# KiCad board IotFan.kicad_pcb (continued)
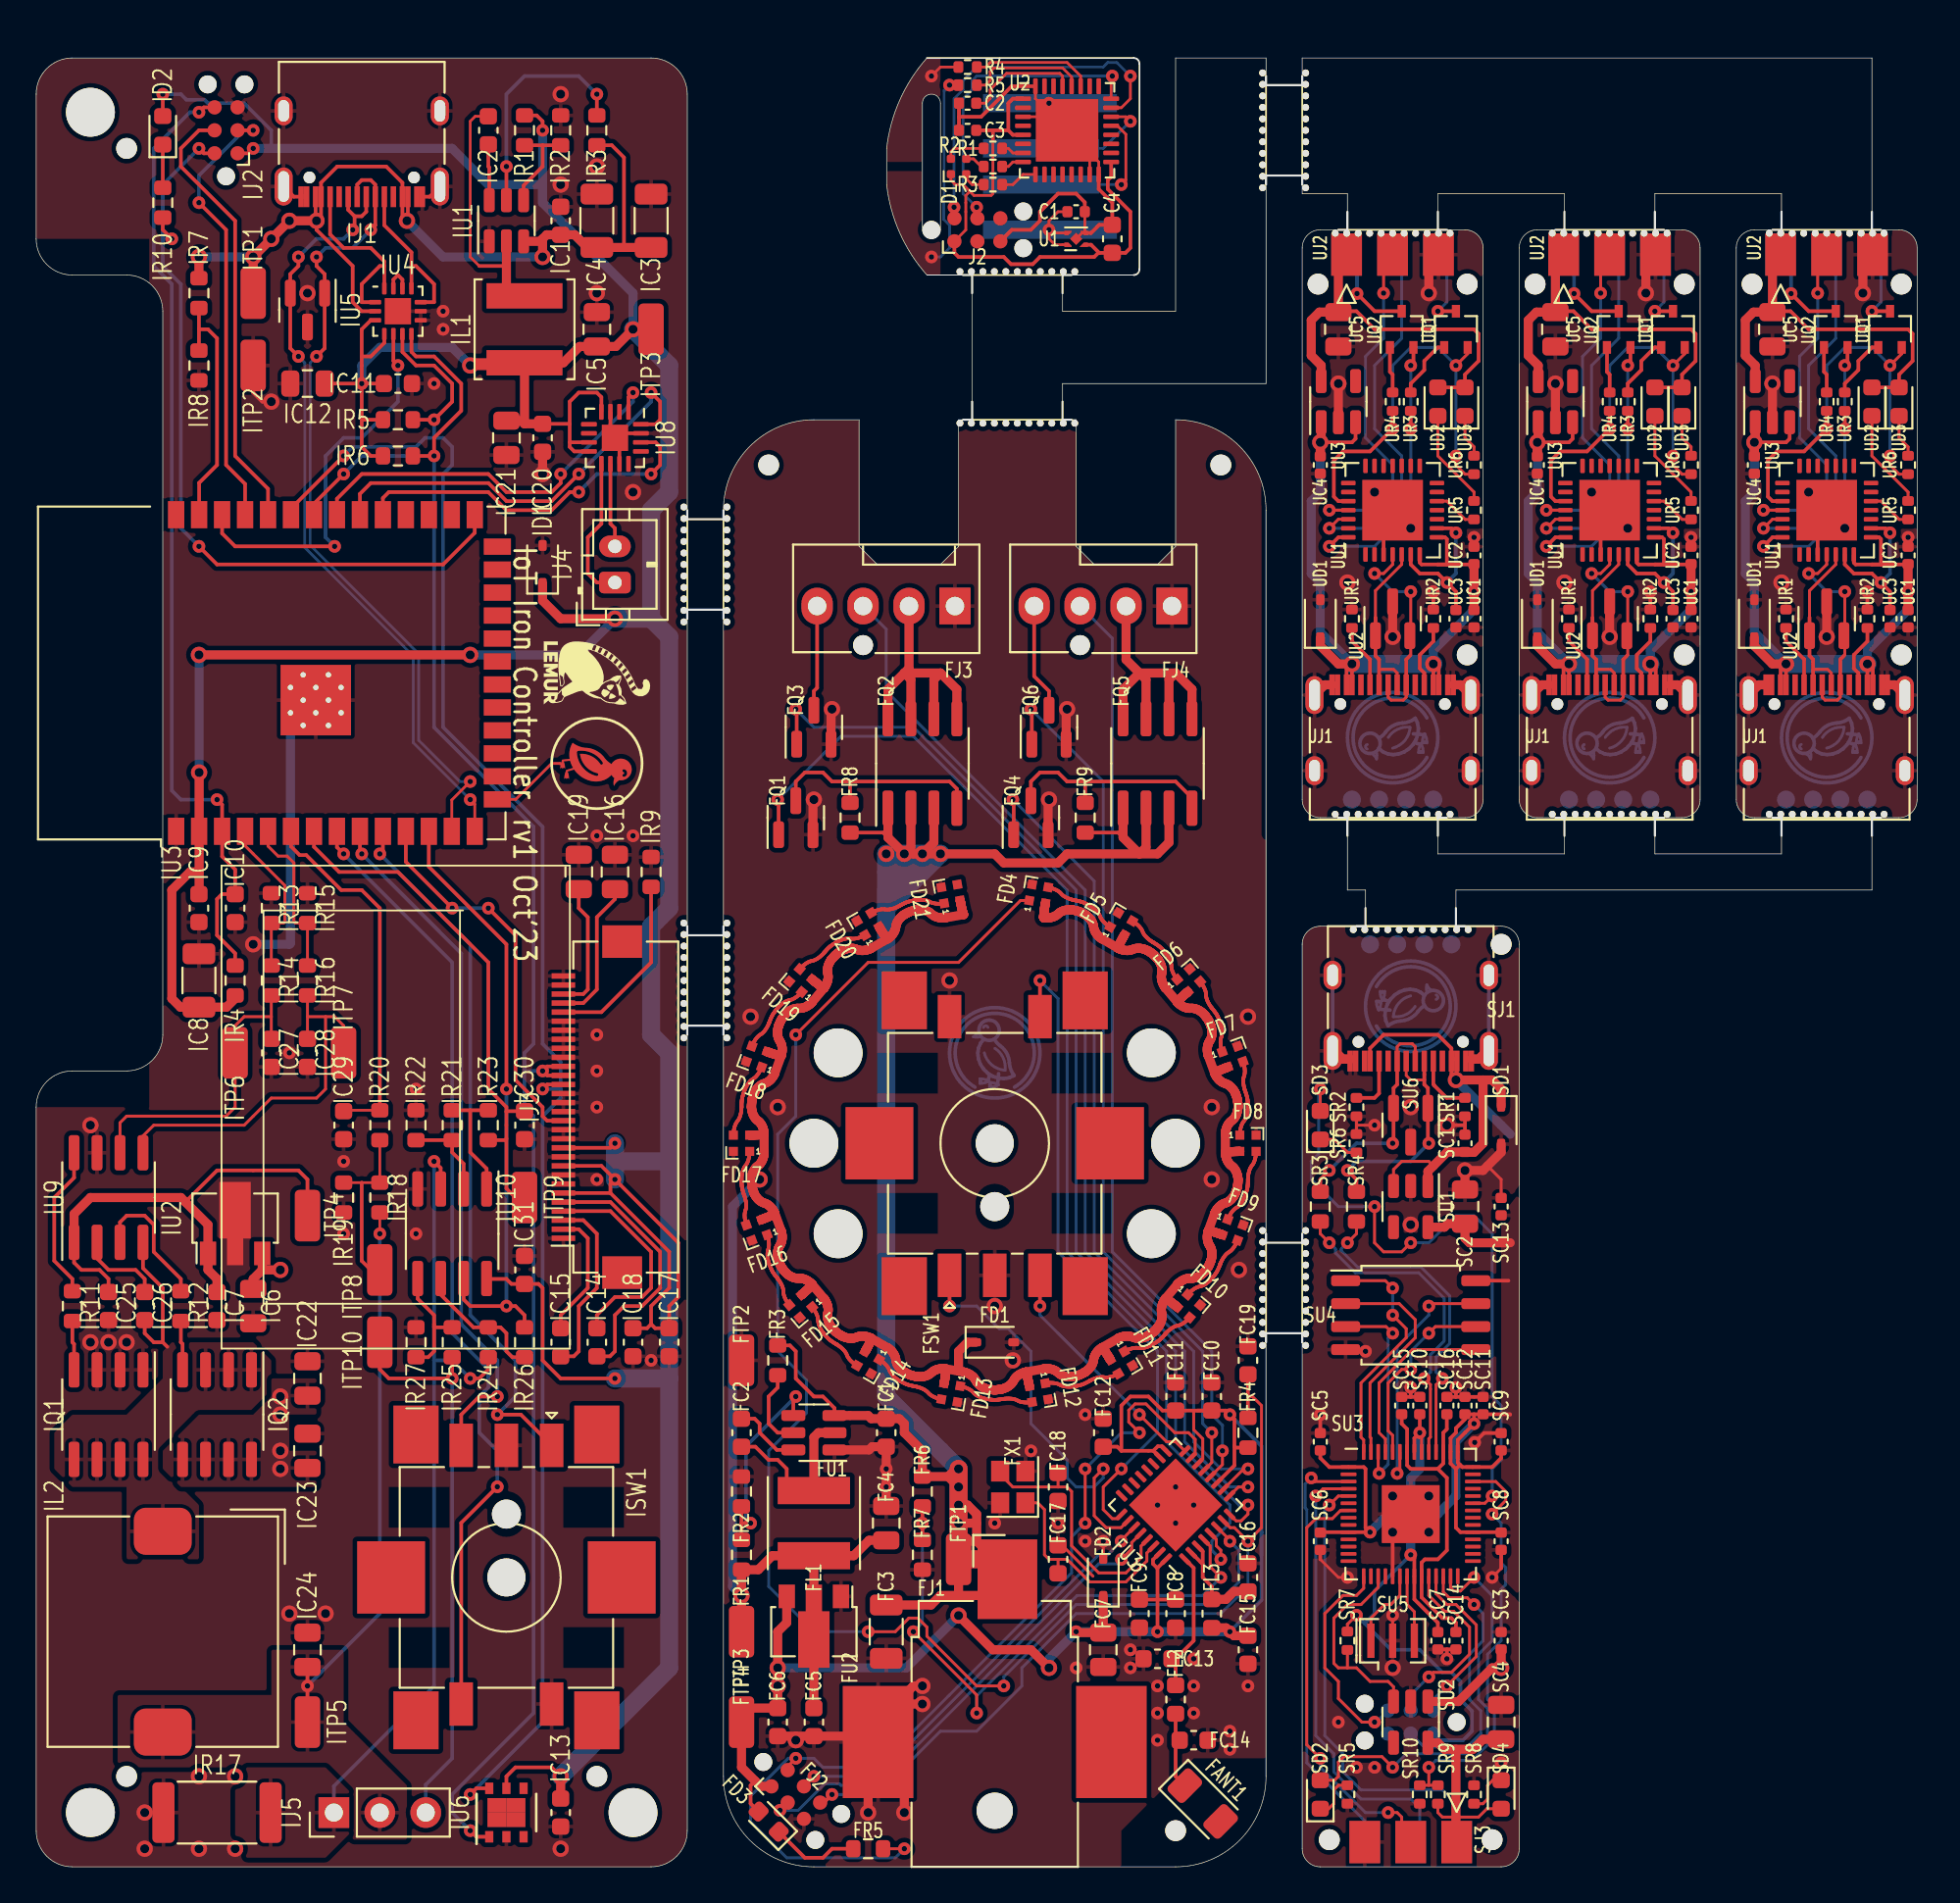
[diagram p0: board, top side]
## Placement (name value [footprint] x y rotation side) (continued)
UC2#3  -  [C_0402_1005Metric]  103.5 72.5 90 top
UC3  -  [C_0402_1005Metric]  90.5 69 270 top
UC3#2  -  [C_0402_1005Metric]  102.5 69 270 top
UC3#3  -  [C_0402_1005Metric]  78.5 69 270 top
UC4  -  [C_0402_1005Metric]  71 77.5 270 top
UC4#2  -  [C_0402_1005Metric]  95 77.5 270 top
UC4#3  -  [C_0402_1005Metric]  83 77.5 270 top
UC5  -  [C_0805_2012Metric]  72 85 270 top
UC5#2  -  [C_0805_2012Metric]  84 85 270 top
UC5#3  -  [C_0805_2012Metric]  96 85 270 top
UD1  BZT52-B5V6S_R1_00001 (PANJIT International) - 100nA@1V 40? Single 5.49V~5.71V 200mW 5.6V SOD-323 Zener Diodes ROHS  [D_SOD-323]  83 69 90 top
UD1#2  BZT52-B5V6S_R1_00001 (PANJIT International) - 100nA@1V 40? Single 5.49V~5.71V 200mW 5.6V SOD-323 Zener Diodes ROHS  [D_SOD-323]  71 69 90 top
UD1#3  BZT52-B5V6S_R1_00001 (PANJIT International) - 100nA@1V 40? Single 5.49V~5.71V 200mW 5.6V SOD-323 Zener Diodes ROHS  [D_SOD-323]  95 69 90 top
UD2  C2290 (Hubei KENTO Elec) - White 0603 Light Emitting Diodes (LED) RoHS  [LED_0603_1608Metric]  77.5 81 90 top
UD2#2  C2290 (Hubei KENTO Elec) - White 0603 Light Emitting Diodes (LED) RoHS  [LED_0603_1608Metric]  89.5 81 90 top
UD2#3  C2290 (Hubei KENTO Elec) - White 0603 Light Emitting Diodes (LED) RoHS  [LED_0603_1608Metric]  101.5 81 90 top
UD3  KT-0603R (Hubei KENTO Elec) - Red 615~630nm 1.9~2.2V 0603 Light Emitting Diodes (LED) RoHS  [LED_0603_1608Metric]  79 81 90 top
UD3#2  KT-0603R (Hubei KENTO Elec) - Red 615~630nm 1.9~2.2V 0603 Light Emitting Diodes (LED) RoHS  [LED_0603_1608Metric]  103 81 90 top
UD3#3  KT-0603R (Hubei KENTO Elec) - Red 615~630nm 1.9~2.2V 0603 Light Emitting Diodes (LED) RoHS  [LED_0603_1608Metric]  91 81 90 top
UH1  -  [JlcToolingHole_1.152mm]  70.88 87.5 90 top
UH1#2  -  [JlcToolingHole_1.152mm]  82.88 87.5 90 top
UH1#3  -  [JlcToolingHole_1.152mm]  94.88 87.5 90 top
UH2  -  [JlcToolingHole_1.152mm]  103.12 67 90 top
UH2#2  -  [JlcToolingHole_1.152mm]  79.12 67 90 top
UH2#3  -  [JlcToolingHole_1.152mm]  91.12 67 90 top
UH3  -  [JlcToolingHole_1.152mm]  79.12 87.5 90 top
UH3#2  -  [JlcToolingHole_1.152mm]  91.12 87.5 90 top
UH3#3  -  [JlcToolingHole_1.152mm]  103.12 87.5 90 top
UJ1  COM-15111 (Sparkfun)  [USB_C_Receptacle_XKB_U262-16XN-4BVC11]  75 61.67 0 top
UJ1#2  COM-15111 (Sparkfun)  [USB_C_Receptacle_XKB_U262-16XN-4BVC11]  87 61.67 0 top
UJ1#3  COM-15111 (Sparkfun)  [USB_C_Receptacle_XKB_U262-16XN-4BVC11]  99 61.67 0 top
UJ2  PinHeader2.54 Shrouded 2x3 (Generic)  [PinHeader_2x03_P2.54mm_EdgeInline]  75 90.5 90 top
UJ2#2  PinHeader2.54 Shrouded 2x3 (Generic)  [PinHeader_2x03_P2.54mm_EdgeInline]  99 90.5 90 top
UJ2#3  PinHeader2.54 Shrouded 2x3 (Generic)  [PinHeader_2x03_P2.54mm_EdgeInline]  87 90.5 90 top
UQ1  BC846BW 1B (CBI) - 65V 330mW 100mA 290@2mA,5V 250MHz 200mV@100mA,5mA NPN +150?@(Tj) SOT-323-3 Bipolar Transistors - BJT ROHS  [SOT-323_SC-70]  90.5 85 90 top
UQ1#2  BC846BW 1B (CBI) - 65V 330mW 100mA 290@2mA,5V 250MHz 200mV@100mA,5mA NPN +150?@(Tj) SOT-323-3 Bipolar Transistors - BJT ROHS  [SOT-323_SC-70]  102.5 85 90 top
UQ1#3  BC846BW 1B (CBI) - 65V 330mW 100mA 290@2mA,5V 250MHz 200mV@100mA,5mA NPN +150?@(Tj) SOT-323-3 Bipolar Transistors - BJT ROHS  [SOT-323_SC-70]  78.5 85 90 top
UQ2  BC846BW 1B (CBI) - 65V 330mW 100mA 290@2mA,5V 250MHz 200mV@100mA,5mA NPN +150?@(Tj) SOT-323-3 Bipolar Transistors - BJT ROHS  [SOT-323_SC-70]  99.5 85 90 top
UQ2#2  BC846BW 1B (CBI) - 65V 330mW 100mA 290@2mA,5V 250MHz 200mV@100mA,5mA NPN +150?@(Tj) SOT-323-3 Bipolar Transistors - BJT ROHS  [SOT-323_SC-70]  87.5 85 90 top
UQ2#3  BC846BW 1B (CBI) - 65V 330mW 100mA 290@2mA,5V 250MHz 200mV@100mA,5mA NPN +150?@(Tj) SOT-323-3 Bipolar Transistors - BJT ROHS  [SOT-323_SC-70]  75.5 85 90 top
UR1  -  [R_0402_1005Metric]  72.75 69 270 top
UR1#2  -  [R_0402_1005Metric]  84.75 69 270 top
UR1#3  -  [R_0402_1005Metric]  96.75 69 270 top
UR2  -  [R_0402_1005Metric]  77.25 69 270 top
UR2#2  -  [R_0402_1005Metric]  89.25 69 270 top
UR2#3  -  [R_0402_1005Metric]  101.25 69 270 top
UR3  -  [R_0402_1005Metric]  76 81 90 top
UR3#2  -  [R_0402_1005Metric]  100 81 90 top
UR3#3  -  [R_0402_1005Metric]  88 81 90 top
UR4  -  [R_0402_1005Metric]  87 81 90 top
UR4#2  -  [R_0402_1005Metric]  99 81 90 top
UR4#3  -  [R_0402_1005Metric]  75 81 90 top
UR5  -  [R_0402_1005Metric]  79.5 75 270 top
UR5#2  -  [R_0402_1005Metric]  91.5 75 270 top
UR5#3  -  [R_0402_1005Metric]  103.5 75 270 top
UR6  -  [R_0402_1005Metric]  103.5 77.5 270 top
UR6#2  -  [R_0402_1005Metric]  79.5 77.5 270 top
UR6#3  -  [R_0402_1005Metric]  91.5 77.5 270 top
UU1  CP2102 (Silicon Labs)  [QFN-28-1EP_5x5mm_P0.5mm_EP3.35x3.35mm]  75 75 90 top
UU1#2  CP2102 (Silicon Labs)  [QFN-28-1EP_5x5mm_P0.5mm_EP3.35x3.35mm]  87 75 90 top
UU1#3  CP2102 (Silicon Labs)  [QFN-28-1EP_5x5mm_P0.5mm_EP3.35x3.35mm]  99 75 90 top
UU2  PESD5V0X1BT (Nexperia)  [SOT-23]  99 69 90 top
UU2#2  PESD5V0X1BT (Nexperia)  [SOT-23]  75 69 90 top
UU2#3  PESD5V0X1BT (Nexperia)  [SOT-23]  87 69 90 top
UU3  AP2204K-3.3 (Diodes Incorporated)  [SOT-23-5]  84 81 90 top
UU3#2  AP2204K-3.3 (Diodes Incorporated)  [SOT-23-5]  72 81 90 top
UU3#3  AP2204K-3.3 (Diodes Incorporated)  [SOT-23-5]  96 81 90 top
UU4  Duck  [Symbol_Duckling]  75 62.42 270 bottom
UU4#2  Duck  [Symbol_Duckling]  87 62.42 270 bottom
UU4#3  Duck  [Symbol_Duckling]  53 45 180 bottom
UU4#4  Duck  [Symbol_Duckling]  99 62.42 270 bottom
UU4#5  Duck  [Symbol_Duckling]  76 47.58 90 bottom
UU5  Lemur  [Symbol_LemurSmall]  31 66 270 top
UU5#2  Lemur  [Symbol_LemurSmall]  99 68 270 bottom
UU5#3  Lemur  [Symbol_LemurSmall]  76 42 90 bottom
UU5#4  Lemur  [Symbol_LemurSmall]  87 68 270 bottom
UU5#5  Lemur  [Symbol_LemurSmall]  75 68 270 bottom
UU5#6  Lemur  [Symbol_LemurSmall]  53 35 180 bottom
UU6  IdDots4  [Indicator_IdDots_4]  75 59 180 bottom
UU6#2  IdDots4  [Indicator_IdDots_4]  76 51 0 bottom
UU6#3  IdDots4  [Indicator_IdDots_4]  87 59 180 bottom
UU6#4  IdDots4  [Indicator_IdDots_4]  99 59 180 bottom

## Library data of the parts
C1 = -: edg_part: CL05A105KA5NQNC (Samsung Electro-Mechanics); edg_path: reg_3v3.in_cap.cap; edg_refdes: C1; edg_short_path: reg_3v3.in_cap
C2 = -: edg_part: CL05B103KB5NNNC (Samsung Electro-Mechanics); edg_path: tss.cap; edg_refdes: C2; edg_short_path: tss
C3 = -: edg_part: CL05A105KA5NQNC (Samsung Electro-Mechanics); edg_path: packed_mcu_vdda_cap.cap; edg_refdes: C3; edg_short_path: packed_mcu_vdda_cap
C4 = -: edg_part: CL10A106KP8NNNC (Samsung Electro-Mechanics); edg_path: packed_mcu_vdd1_cap.cap; edg_refdes: C4; edg_short_path: packed_mcu_vdd1_cap
D1 = -: edg_path: rgb.package; edg_refdes: D1; edg_short_path: rgb.package
FANT1 = -: edg_part: ANT3216LL00R2400A (YAGEO); edg_path: mcu.ant; edg_refdes: FANT1; edg_short_path: mcu.ant
FC1 = -: edg_part: CC0603KRX7R9BB104 (YAGEO); edg_path: reg_5v.hf_in_cap.cap; edg_refdes: FC1; edg_short_path: reg_5v.hf_in_cap
FC2 = -: edg_part: CC0603KRX7R9BB104 (YAGEO); edg_path: reg_5v.boot_cap; edg_refdes: FC2; edg_short_path: reg_5v.boot_cap
FC3 = -: edg_part: CL31A106KBHNNNE (Samsung Electro-Mechanics); edg_path: reg_5v.power_path.in_cap.cap; edg_refdes: FC3; edg_short_path: reg_5v.power_path.in_cap
FC4 = -: edg_part: CL21A106KAYNNNE (Samsung Electro-Mechanics); edg_path: reg_5v.power_path.out_cap.cap; edg_refdes: FC4; edg_short_path: reg_5v.power_path.out_cap
FC5 = -: edg_part: CL10A105KB8NNNC (Samsung Electro-Mechanics); edg_path: reg_3v3.in_cap.cap; edg_refdes: FC5; edg_short_path: reg_3v3.in_cap
FC6 = -: edg_part: CL10A105KB8NNNC (Samsung Electro-Mechanics); edg_path: reg_3v3.out_cap.cap; edg_refdes: FC6; edg_short_path: reg_3v3.out_cap
FC7 = -: edg_part: CL21A106KAYNNNE (Samsung Electro-Mechanics); edg_path: mcu.vdd_bulk_cap.cap; edg_refdes: FC7; edg_short_path: mcu.vdd_bulk_cap
FC8 = -: edg_part: CL10A105KB8NNNC (Samsung Electro-Mechanics); edg_path: mcu.vdda_cap0.cap; edg_refdes: FC8; edg_short_path: mcu.vdda_cap0
FC9 = -: edg_part: 0603B103K500NT (FH(Guangdong Fenghua Advanced Tech)); edg_path: mcu.vdda_cap1.cap; edg_refdes: FC9; edg_short_path: mcu.vdda_cap1
FC10 = -: edg_part: CC0603KRX7R9BB104 (YAGEO); edg_path: mcu.vddrtc_cap.cap; edg_refdes: FC10; edg_short_path: mcu.vddrtc_cap
FC11 = -: edg_part: CC0603KRX7R9BB104 (YAGEO); edg_path: mcu.vddcpu_cap.cap; edg_refdes: FC11; edg_short_path: mcu.vddcpu_cap
FC12 = -: edg_part: CL10A105KB8NNNC (Samsung Electro-Mechanics); edg_path: mcu.vddspi_cap.cap; edg_refdes: FC12; edg_short_path: mcu.vddspi_cap
FC13 = -: edg_part: 0603CG8R2C500NT (FH(Guangdong Fenghua Advanced Tech)); edg_path: mcu.pi.c1; edg_refdes: FC13; edg_short_path: mcu.pi.c1
FC14 = -: edg_part: 0603CG6R8C500NT (FH(Guangdong Fenghua Advanced Tech)); edg_path: mcu.pi.c2; edg_refdes: FC14; edg_short_path: mcu.pi.c2
FC15 = -: edg_part: CC0603KRX7R9BB104 (YAGEO); edg_path: mcu.vdd3p3_l_cap.cap; edg_refdes: FC15; edg_short_path: mcu.vdd3p3_l_cap
FC16 = -: edg_part: CC0603KRX7R9BB104 (YAGEO); edg_path: mcu.vdd3p3_cap.cap; edg_refdes: FC16; edg_short_path: mcu.vdd3p3_cap
FC17 = -: edg_part: CL10C150JB8NNNC (Samsung Electro-Mechanics); edg_path: mcu.crystal.cap_a; edg_refdes: FC17; edg_short_path: mcu.crystal.cap_a
FC18 = -: edg_part: CL10C150JB8NNNC (Samsung Electro-Mechanics); edg_path: mcu.crystal.cap_b; edg_refdes: FC18; edg_short_path: mcu.crystal.cap_b
FC19 = -: edg_part: CL10A105KB8NNNC (Samsung Electro-Mechanics); edg_path: mcu.en_pull.rc.c; edg_refdes: FC19; edg_short_path: mcu.en_pull.c
FD1 = -: edg_part: BZT52C6V2S (Shandong Jingdao Microelectronics); edg_path: prot_5v.diode; edg_refdes: FD1; edg_short_path: prot_5v
FD2 = -: edg_part: BZT52B3V6S (SMC(Sangdest Microelectronicstronic (Nanjing))); edg_path: prot_3v3.diode; edg_refdes: FD2; edg_short_path: prot_3v3
FD3 = -: edg_part: KT-0603R (Hubei KENTO Elec); edg_path: ledr.package; edg_refdes: FD3; edg_short_path: ledr.package
FD4 = -: edg_path: rgb_ring.led[0]; edg_refdes: FD4; edg_short_path: rgb_ring.led[0]
FD5 = -: edg_path: rgb_ring.led[1]; edg_refdes: FD5; edg_short_path: rgb_ring.led[1]
FD6 = -: edg_path: rgb_ring.led[2]; edg_refdes: FD6; edg_short_path: rgb_ring.led[2]
FD7 = -: edg_path: rgb_ring.led[3]; edg_refdes: FD7; edg_short_path: rgb_ring.led[3]
FD8 = -: edg_path: rgb_ring.led[4]; edg_refdes: FD8; edg_short_path: rgb_ring.led[4]
FD9 = -: edg_path: rgb_ring.led[5]; edg_refdes: FD9; edg_short_path: rgb_ring.led[5]
FD10 = -: edg_path: rgb_ring.led[6]; edg_refdes: FD10; edg_short_path: rgb_ring.led[6]
FD11 = -: edg_path: rgb_ring.led[7]; edg_refdes: FD11; edg_short_path: rgb_ring.led[7]
FD12 = -: edg_path: rgb_ring.led[8]; edg_refdes: FD12; edg_short_path: rgb_ring.led[8]
FD13 = -: edg_path: rgb_ring.led[9]; edg_refdes: FD13; edg_short_path: rgb_ring.led[9]
FD14 = -: edg_path: rgb_ring.led[10]; edg_refdes: FD14; edg_short_path: rgb_ring.led[10]
FD15 = -: edg_path: rgb_ring.led[11]; edg_refdes: FD15; edg_short_path: rgb_ring.led[11]
FD16 = -: edg_path: rgb_ring.led[12]; edg_refdes: FD16; edg_short_path: rgb_ring.led[12]
FD17 = -: edg_path: rgb_ring.led[13]; edg_refdes: FD17; edg_short_path: rgb_ring.led[13]
FD18 = -: edg_path: rgb_ring.led[14]; edg_refdes: FD18; edg_short_path: rgb_ring.led[14]
FD19 = -: edg_path: rgb_ring.led[15]; edg_refdes: FD19; edg_short_path: rgb_ring.led[15]
FD20 = -: edg_path: rgb_ring.led[16]; edg_refdes: FD20; edg_short_path: rgb_ring.led[16]
FD21 = -: edg_path: rgb_ring.led[17]; edg_refdes: FD21; edg_short_path: rgb_ring.led[17]
FH1 = -: edg_path: jlc_th.th1; edg_refdes: FH1; edg_short_path: jlc_th.th1
FH2 = -: edg_path: jlc_th.th2; edg_refdes: FH2; edg_short_path: jlc_th.th2
FH3 = -: edg_path: jlc_th.th3; edg_refdes: FH3; edg_short_path: jlc_th.th3
FJ1 = -: edg_path: pwr; edg_refdes: FJ1; edg_short_path: pwr
FJ2 = -: edg_path: mcu.prog.conn; edg_refdes: FJ2; edg_short_path: mcu.prog
FJ3 = -: edg_path: fan[0]; edg_refdes: FJ3; edg_short_path: fan[0]
FJ4 = -: edg_path: fan[1]; edg_refdes: FJ4; edg_short_path: fan[1]
FL1 = -: edg_part: NR5040T220M (Taiyo Yuden); edg_path: reg_5v.power_path.inductor; edg_refdes: FL1; edg_short_path: reg_5v.power_path.inductor
FL2 = -: edg_part: SDCL1608C1N2STDF (Sunlord); edg_path: mcu.pi.l; edg_refdes: FL2; edg_short_path: mcu.pi.l
FL3 = -: edg_part: SDCL1608C1N8STDF (Sunlord); edg_path: mcu.vdd3p3_l.ind; edg_refdes: FL3; edg_short_path: mcu.vdd3p3_l
FQ1 = -: edg_part: AO3400A (Alpha & Omega Semicon); edg_path: fan_drv[0].pre; edg_refdes: FQ1; edg_short_path: fan_drv[0].pre
FQ2 = -: edg_part: AO4407A (Alpha & Omega Semicon); edg_path: fan_drv[0].drv; edg_refdes: FQ2; edg_short_path: fan_drv[0].drv
FQ3 = -: edg_part: AO3400A (Alpha & Omega Semicon); edg_path: fan_ctl[0].drv; edg_refdes: FQ3; edg_short_path: fan_ctl[0]
FQ4 = -: edg_part: AO3400A (Alpha & Omega Semicon); edg_path: fan_drv[1].pre; edg_refdes: FQ4; edg_short_path: fan_drv[1].pre
FQ5 = -: edg_part: AO4407A (Alpha & Omega Semicon); edg_path: fan_drv[1].drv; edg_refdes: FQ5; edg_short_path: fan_drv[1].drv
FQ6 = -: edg_part: AO3400A (Alpha & Omega Semicon); edg_path: fan_ctl[1].drv; edg_refdes: FQ6; edg_short_path: fan_ctl[1]
FR1 = -: edg_part: 0603WAF6801T5E (UNI-ROYAL(Uniroyal Elec)); edg_path: reg_5v.fb.div.top_res; edg_refdes: FR1; edg_short_path: reg_5v.fb.top_res
FR2 = -: edg_part: 0603WAF1201T5E (UNI-ROYAL(Uniroyal Elec)); edg_path: reg_5v.fb.div.bottom_res; edg_refdes: FR2; edg_short_path: reg_5v.fb.bottom_res
FR3 = -: edg_part: 0603WAF5103T5E (UNI-ROYAL(Uniroyal Elec)); edg_path: reg_5v.en_res; edg_refdes: FR3; edg_short_path: reg_5v.en_res
FR4 = -: edg_part: 0603WAF1002T5E (UNI-ROYAL(Uniroyal Elec)); edg_path: mcu.en_pull.rc.r; edg_refdes: FR4; edg_short_path: mcu.en_pull.r
FR5 = -: edg_part: 0603WAF1001T5E (UNI-ROYAL(Uniroyal Elec)); edg_path: ledr.res; edg_refdes: FR5; edg_short_path: ledr.res
FR6 = -: edg_part: 0603WAF4702T5E (UNI-ROYAL(Uniroyal Elec)); edg_path: v12_sense.div.top_res; edg_refdes: FR6; edg_short_path: v12_sense.top_res
FR7 = -: edg_part: 0603WAF1002T5E (UNI-ROYAL(Uniroyal Elec)); edg_path: v12_sense.div.bottom_res; edg_refdes: FR7; edg_short_path: v12_sense.bottom_res
FR8 = -: edg_part: 0603WAF4701T5E (UNI-ROYAL(Uniroyal Elec)); edg_path: fan_drv[0].pull; edg_refdes: FR8; edg_short_path: fan_drv[0].pull
FR9 = -: edg_part: 0603WAF4701T5E (UNI-ROYAL(Uniroyal Elec)); edg_path: fan_drv[1].pull; edg_refdes: FR9; edg_short_path: fan_drv[1].pull
FSW1 = -: edg_path: enc.package; edg_refdes: FSW1; edg_short_path: enc
FTP1 = -: edg_part: 5015 (Keystone); edg_path: tp_pwr.tp; edg_refdes: FTP1; edg_short_path: tp_pwr
FTP2 = -: edg_part: 5015 (Keystone); edg_path: tp_gnd.tp; edg_refdes: FTP2; edg_short_path: tp_gnd
FTP3 = -: edg_part: 5015 (Keystone); edg_path: tp_5v.tp; edg_refdes: FTP3; edg_short_path: tp_5v
FTP4 = -: edg_part: 5015 (Keystone); edg_path: tp_3v3.tp; edg_refdes: FTP4; edg_short_path: tp_3v3
FU1 = -: edg_path: reg_5v.ic; edg_refdes: FU1; edg_short_path: reg_5v.ic
FU2 = -: edg_path: reg_3v3.ic; edg_refdes: FU2; edg_short_path: reg_3v3.ic
FU3 = -: edg_path: mcu.ic; edg_refdes: FU3; edg_short_path: mcu.ic
FX1 = -: edg_part: TXM40M0004252HBCEO00T (TAE(Zhejiang Abel Elec)); edg_path: mcu.crystal.package; edg_refdes: FX1; edg_short_path: mcu.crystal.package
IC1 = -: edg_part: CC0603KRX7R9BB104 (YAGEO); edg_path: reg_3v3.hf_in_cap.cap; edg_refdes: IC1; edg_short_path: reg_3v3.hf_in_cap
IC2 = -: edg_part: CC0603KRX7R9BB104 (YAGEO); edg_path: reg_3v3.boot_cap; edg_refdes: IC2; edg_short_path: reg_3v3.boot_cap
IC3 = -: edg_part: CL31A106KBHNNNE (Samsung Electro-Mechanics); edg_path: reg_3v3.power_path.in_cap.cap.c[0]; edg_refdes: IC3; edg_short_path: reg_3v3.power_path.in_cap.c[0]
IC4 = -: edg_part: CL31A106KBHNNNE (Samsung Electro-Mechanics); edg_path: reg_3v3.power_path.in_cap.cap.c[1]; edg_refdes: IC4; edg_short_path: reg_3v3.power_path.in_cap.c[1]
IC5 = -: edg_part: CL21A106KAYNNNE (Samsung Electro-Mechanics); edg_path: reg_3v3.power_path.out_cap.cap; edg_refdes: IC5; edg_short_path: reg_3v3.power_path.out_cap
IC6 = -: edg_part: 0805B334K500NT (FH(Guangdong Fenghua Advanced Tech)); edg_path: reg_gate.in_cap.cap; edg_refdes: IC6; edg_short_path: reg_gate.in_cap
IC7 = -: edg_part: CC0603KRX7R9BB104 (YAGEO); edg_path: reg_gate.out_cap.cap; edg_refdes: IC7; edg_short_path: reg_gate.out_cap
IC8 = -: edg_part: CL31A226KPHNNNE (Samsung Electro-Mechanics); edg_path: mcu.vcc_cap0.cap; edg_refdes: IC8; edg_short_path: mcu.vcc_cap0
IC9 = -: edg_part: CC0603KRX7R9BB104 (YAGEO); edg_path: mcu.vcc_cap1.cap; edg_refdes: IC9; edg_short_path: mcu.vcc_cap1
IC10 = -: edg_part: CL10A105KB8NNNC (Samsung Electro-Mechanics); edg_path: mcu.en_pull.rc.c; edg_refdes: IC10; edg_short_path: mcu.en_pull.c
IC11 = -: edg_part: CC0603KRX7R9BB104 (YAGEO); edg_path: pd.vdd_cap[0].cap; edg_refdes: IC11; edg_short_path: pd.vdd_cap[0]
IC12 = -: edg_part: CL21A106KAYNNNE (Samsung Electro-Mechanics); edg_path: pd.vdd_cap[1].cap; edg_refdes: IC12; edg_short_path: pd.vdd_cap[1]
IC13 = -: edg_part: CC0603KRX7R9BB104 (YAGEO); edg_path: temp.vdd_cap.cap; edg_refdes: IC13; edg_short_path: temp.vdd_cap
IC14 = -: edg_part: CL10A105KB8NNNC (Samsung Electro-Mechanics); edg_path: oled.c1_cap; edg_refdes: IC14; edg_short_path: oled.c1_cap
IC15 = -: edg_part: CL10A105KB8NNNC (Samsung Electro-Mechanics); edg_path: oled.c2_cap; edg_refdes: IC15; edg_short_path: oled.c2_cap
IC16 = -: edg_part: CL21A475KAQNNNE (Samsung Electro-Mechanics); edg_path: oled.vcomh_cap.cap; edg_refdes: IC16; edg_short_path: oled.vcomh_cap
IC17 = -: edg_part: CL10A105KB8NNNC (Samsung Electro-Mechanics); edg_path: oled.vdd_cap1.cap; edg_refdes: IC17; edg_short_path: oled.vdd_cap1
IC18 = -: edg_part: CL10A105KB8NNNC (Samsung Electro-Mechanics); edg_path: oled.vbat_cap.cap; edg_refdes: IC18; edg_short_path: oled.vbat_cap
IC19 = -: edg_part: CL21A475KAQNNNE (Samsung Electro-Mechanics); edg_path: oled.vcc_cap.cap; edg_refdes: IC19; edg_short_path: oled.vcc_cap
IC20 = -: edg_part: CC0603KRX7R9BB104 (YAGEO); edg_path: spk_drv.pwr_cap0.cap; edg_refdes: IC20; edg_short_path: spk_drv.pwr_cap0
IC21 = -: edg_part: CL21A106KAYNNNE (Samsung Electro-Mechanics); edg_path: spk_drv.pwr_cap1.cap; edg_refdes: IC21; edg_short_path: spk_drv.pwr_cap1
IC22 = -: edg_part: GRM21BR61H106KE43L (Murata Electronics); edg_path: conv.power_path.in_cap.cap.c[0]; edg_refdes: IC22; edg_short_path: conv.power_path.in_cap.c[0]
IC23 = -: edg_part: GRM21BR61H106KE43L (Murata Electronics); edg_path: conv.power_path.in_cap.cap.c[1]; edg_refdes: IC23; edg_short_path: conv.power_path.in_cap.c[1]
IC24 = -: edg_part: CL21A106KAYNNNE (Samsung Electro-Mechanics); edg_path: conv.power_path.out_cap.cap; edg_refdes: IC24; edg_short_path: conv.power_path.out_cap
IC25 = -: edg_part: CC0603KRX7R9BB104 (YAGEO); edg_path: conv.sw.driver.cap.cap; edg_refdes: IC25; edg_short_path: conv.sw.driver.cap
IC26 = -: edg_part: CC0603KRX7R9BB104 (YAGEO); edg_path: conv.sw.driver.boot_cap.cap; edg_refdes: IC26; edg_short_path: conv.sw.driver.boot_cap
IC27 = -: edg_part: 0603B151K500NT (FH(Guangdong Fenghua Advanced Tech)); edg_path: low_rc.rc.c; edg_refdes: IC27; edg_short_path: low_rc.c
IC28 = -: edg_part: 0603B151K500NT (FH(Guangdong Fenghua Advanced Tech)); edg_path: high_rc.rc.c; edg_refdes: IC28; edg_short_path: high_rc.c
IC29 = -: edg_part: CC0603KRX7R9BB104 (YAGEO); edg_path: vfilt.rc.c; edg_refdes: IC29; edg_short_path: vfilt.c
IC30 = -: edg_part: CC0603KRX7R9BB104 (YAGEO); edg_path: tp_i.rc.c; edg_refdes: IC30; edg_short_path: tp_i.c
IC31 = -: edg_part: CC0603KRX7R9BB104 (YAGEO); edg_path: packed_opamp.vdd_cap.cap; edg_refdes: IC31; edg_short_path: packed_opamp.vdd_cap
ID1 = -: edg_part: BZT52B3V6S (SMC(Sangdest Microelectronicstronic (Nanjing))); edg_path: prot_3v3.diode; edg_refdes: ID1; edg_short_path: prot_3v3
ID2 = -: edg_part: KT-0603R (Hubei KENTO Elec); edg_path: ledr.package; edg_refdes: ID2; edg_short_path: ledr.package
IH1 = -: edg_path: jlc_th.th1; edg_refdes: IH1; edg_short_path: jlc_th.th1
IH2 = -: edg_path: jlc_th.th2; edg_refdes: IH2; edg_short_path: jlc_th.th2
IH3 = -: edg_path: jlc_th.th3; edg_refdes: IH3; edg_short_path: jlc_th.th3
IJ1 = -: edg_path: usb.conn; edg_refdes: IJ1; edg_short_path: usb
IJ2 = -: edg_path: mcu.prog.conn; edg_refdes: IJ2; edg_short_path: mcu.prog
IJ3 = -: edg_path: oled.device.conn; edg_refdes: IJ3; edg_short_path: oled.device
IJ4 = -: edg_path: spk.conn; edg_refdes: IJ4; edg_short_path: spk
IJ5 = -: edg_path: iron.conn; edg_refdes: IJ5; edg_short_path: iron
IL1 = -: edg_part: SWPA5040S220MT (Sunlord); edg_path: reg_3v3.power_path.inductor; edg_refdes: IL1; edg_short_path: reg_3v3.power_path.inductor
IL2 = -: edg_part: SLF12565T-150M4R2-PF (TDK); edg_path: conv.power_path.inductor; edg_refdes: IL2; edg_short_path: conv.power_path.inductor
IQ1 = -: edg_part: IRF7458TRPBF (Infineon Technologies); edg_path: conv.sw.low_fet; edg_refdes: IQ1; edg_short_path: conv.sw.low_fet
IQ2 = -: edg_part: IRF7458TRPBF (Infineon Technologies); edg_path: conv.sw.high_fet; edg_refdes: IQ2; edg_short_path: conv.sw.high_fet
IR1 = -: edg_part: 0603WAF6801T5E (UNI-ROYAL(Uniroyal Elec)); edg_path: reg_3v3.fb.div.top_res; edg_refdes: IR1; edg_short_path: reg_3v3.fb.top_res
IR2 = -: edg_part: 0603WAF1501T5E (UNI-ROYAL(Uniroyal Elec)); edg_path: reg_3v3.fb.div.bottom_res; edg_refdes: IR2; edg_short_path: reg_3v3.fb.bottom_res
IR3 = -: edg_part: 0603WAF5103T5E (UNI-ROYAL(Uniroyal Elec)); edg_path: reg_3v3.en_res; edg_refdes: IR3; edg_short_path: reg_3v3.en_res
IR4 = -: edg_part: 0603WAF1002T5E (UNI-ROYAL(Uniroyal Elec)); edg_path: mcu.en_pull.rc.r; edg_refdes: IR4; edg_short_path: mcu.en_pull.r
IR5 = -: edg_part: 0603WAF4701T5E (UNI-ROYAL(Uniroyal Elec)); edg_path: i2c_pull.scl_res.res; edg_refdes: IR5; edg_short_path: i2c_pull.scl_res
IR6 = -: edg_part: 0603WAF4701T5E (UNI-ROYAL(Uniroyal Elec)); edg_path: i2c_pull.sda_res.res; edg_refdes: IR6; edg_short_path: i2c_pull.sda_res
IR7 = -: edg_part: 0603WAF8202T5E (UNI-ROYAL(Uniroyal Elec)); edg_path: vusb_sense.div.top_res; edg_refdes: IR7; edg_short_path: vusb_sense.top_res
IR8 = -: edg_part: 0603WAF1002T5E (UNI-ROYAL(Uniroyal Elec)); edg_path: vusb_sense.div.bottom_res; edg_refdes: IR8; edg_short_path: vusb_sense.bottom_res
IR9 = -: edg_part: 0603WAF3903T5E (UNI-ROYAL(Uniroyal Elec)); edg_path: oled.iref_res; edg_refdes: IR9; edg_short_path: oled.iref_res
IR10 = -: edg_part: 0603WAF1001T5E (UNI-ROYAL(Uniroyal Elec)); edg_path: ledr.res; edg_refdes: IR10; edg_short_path: ledr.res
IR11 = -: edg_part: 0603WAF220JT5E (UNI-ROYAL(Uniroyal Elec)); edg_path: conv.sw.low_gate_res; edg_refdes: IR11; edg_short_path: conv.sw.low_gate_res
IR12 = -: edg_part: 0603WAF220JT5E (UNI-ROYAL(Uniroyal Elec)); edg_path: conv.sw.high_gate_res; edg_refdes: IR12; edg_short_path: conv.sw.high_gate_res
IR13 = -: edg_part: 0603WAF1002T5E (UNI-ROYAL(Uniroyal Elec)); edg_path: low_pull.res; edg_refdes: IR13; edg_short_path: low_pull
IR14 = -: edg_part: 0603WAF1500T5E (UNI-ROYAL(Uniroyal Elec)); edg_path: low_rc.rc.r; edg_refdes: IR14; edg_short_path: low_rc.r
IR15 = -: edg_part: 0603WAF1002T5E (UNI-ROYAL(Uniroyal Elec)); edg_path: high_pull.res; edg_refdes: IR15; edg_short_path: high_pull
IR16 = -: edg_part: 0603WAF1500T5E (UNI-ROYAL(Uniroyal Elec)); edg_path: high_rc.rc.r; edg_refdes: IR16; edg_short_path: high_rc.r
IR17 = -: edg_part: 25121WJ022LT4E (UNI-ROYAL(Uniroyal Elec)); edg_path: isense.res.res; edg_refdes: IR17; edg_short_path: isense
IR18 = -: edg_part: 0603WAF2202T5E (UNI-ROYAL(Uniroyal Elec)); edg_path: vsense.div.top_res; edg_refdes: IR18; edg_short_path: vsense.top_res
IR19 = -: edg_part: 0603WAF1502T5E (UNI-ROYAL(Uniroyal Elec)); edg_path: vsense.div.bottom_res; edg_refdes: IR19; edg_short_path: vsense.bottom_res
IR20 = -: edg_part: 0603WAF1001T5E (UNI-ROYAL(Uniroyal Elec)); edg_path: vfilt.rc.r; edg_refdes: IR20; edg_short_path: vfilt.r
IR21 = -: edg_part: 0603WAF2204T5E (UNI-ROYAL(Uniroyal Elec)); edg_path: ifilt.r1; edg_refdes: IR21; edg_short_path: ifilt.r1
IR22 = -: edg_part: 0603WAF1003T5E (UNI-ROYAL(Uniroyal Elec)); edg_path: ifilt.r2; edg_refdes: IR22; edg_short_path: ifilt.r2
IR23 = -: edg_part: 0603WAF1001T5E (UNI-ROYAL(Uniroyal Elec)); edg_path: tp_i.rc.r; edg_refdes: IR23; edg_short_path: tp_i.r
IR24 = -: edg_part: 0603WAF1001T5E (UNI-ROYAL(Uniroyal Elec)); edg_path: tamp.r1; edg_refdes: IR24; edg_short_path: tamp.r1
IR25 = -: edg_part: 0603WAF1001T5E (UNI-ROYAL(Uniroyal Elec)); edg_path: tamp.r2; edg_refdes: IR25; edg_short_path: tamp.r2
IR26 = -: edg_part: 0603WAF1603T5E (UNI-ROYAL(Uniroyal Elec)); edg_path: tamp.rf; edg_refdes: IR26; edg_short_path: tamp.rf
IR27 = -: edg_part: 0603WAF1603T5E (UNI-ROYAL(Uniroyal Elec)); edg_path: tamp.rg; edg_refdes: IR27; edg_short_path: tamp.rg
ISW1 = -: edg_path: enc.package; edg_refdes: ISW1; edg_short_path: enc
ITP1 = -: edg_part: 5015 (Keystone); edg_path: tp_pwr.tp; edg_refdes: ITP1; edg_short_path: tp_pwr
ITP2 = -: edg_part: 5015 (Keystone); edg_path: tp_gnd.tp; edg_refdes: ITP2; edg_short_path: tp_gnd
ITP3 = -: edg_part: 5015 (Keystone); edg_path: tp_3v3.tp; edg_refdes: ITP3; edg_short_path: tp_3v3
ITP4 = -: edg_part: 5015 (Keystone); edg_path: tp_gate.tp; edg_refdes: ITP4; edg_short_path: tp_gate
ITP5 = -: edg_part: 5015 (Keystone); edg_path: tp_conv.tp; edg_refdes: ITP5; edg_short_path: tp_conv
ITP6 = -: edg_part: 5015 (Keystone); edg_path: tp_pwm_l.tp; edg_refdes: ITP6; edg_short_path: tp_pwm_l
ITP7 = -: edg_part: 5015 (Keystone); edg_path: tp_pwm_h.tp; edg_refdes: ITP7; edg_short_path: tp_pwm_h
ITP8 = -: edg_part: 5015 (Keystone); edg_path: tp_v.tp; edg_refdes: ITP8; edg_short_path: tp_v
ITP9 = -: edg_part: 5015 (Keystone); edg_path: iamp.tp; edg_refdes: ITP9; edg_short_path: iamp
ITP10 = -: edg_part: 5015 (Keystone); edg_path: tp_t.tp; edg_refdes: ITP10; edg_short_path: tp_t
IU1 = -: edg_path: reg_3v3.ic; edg_refdes: IU1; edg_short_path: reg_3v3.ic
IU2 = -: edg_path: reg_gate.ic; edg_refdes: IU2; edg_short_path: reg_gate.ic
IU3 = -: edg_path: mcu.ic; edg_refdes: IU3; edg_short_path: mcu.ic
IU4 = -: edg_path: pd.ic; edg_refdes: IU4; edg_short_path: pd.ic
IU5 = -: edg_path: usb_esd; edg_refdes: IU5; edg_short_path: usb_esd
IU6 = -: edg_path: temp.ic; edg_refdes: IU6; edg_short_path: temp.ic
IU7 = -: edg_path: oled.lcd; edg_refdes: IU7; edg_short_path: oled.lcd
IU8 = -: edg_path: spk_drv.ic; edg_refdes: IU8; edg_short_path: spk_drv.ic
IU9 = -: edg_path: conv.sw.driver.ic; edg_refdes: IU9; edg_short_path: conv.sw.driver.ic
IU10 = -: edg_path: packed_opamp.ic; edg_refdes: IU10; edg_short_path: packed_opamp.ic
J1 = -: edg_path: usb; edg_refdes: J1; edg_short_path: usb
J2 = -: edg_path: mcu.swd.conn; edg_refdes: J2; edg_short_path: mcu.swd
R1 = -: edg_part: 0402WGF2401TCE (UNI-ROYAL(Uniroyal Elec)); edg_path: rgb.red_res; edg_refdes: R1; edg_short_path: rgb.red_res
R2 = -: edg_part: 0402WGF2401TCE (UNI-ROYAL(Uniroyal Elec)); edg_path: rgb.green_res; edg_refdes: R2; edg_short_path: rgb.green_res
R3 = -: edg_part: 0402WGF2401TCE (UNI-ROYAL(Uniroyal Elec)); edg_path: rgb.blue_res; edg_refdes: R3; edg_short_path: rgb.blue_res
R4 = -: edg_part: 0402WGF1002TCE (UNI-ROYAL(Uniroyal Elec)); edg_path: ts1.res; edg_refdes: R4; edg_short_path: ts1
R5 = -: edg_part: 0402WGF1002TCE (UNI-ROYAL(Uniroyal Elec)); edg_path: ts2.res; edg_refdes: R5; edg_short_path: ts2
SC1 = -: edg_part: CL05A105KA5NQNC (Samsung Electro-Mechanics); edg_path: usb_reg.in_cap.cap; edg_refdes: SC1; edg_short_path: usb_reg.in_cap
SC2 = -: edg_part: CL21A475KAQNNNE (Samsung Electro-Mechanics); edg_path: usb_reg.out_cap.cap; edg_refdes: SC2; edg_short_path: usb_reg.out_cap
SC3 = -: edg_part: CL05A105KA5NQNC (Samsung Electro-Mechanics); edg_path: target_reg.in_cap.cap; edg_refdes: SC3; edg_short_path: target_reg.in_cap
SC4 = -: edg_part: CL21A475KAQNNNE (Samsung Electro-Mechanics); edg_path: target_reg.out_cap.cap; edg_refdes: SC4; edg_short_path: target_reg.out_cap
SC5 = -: edg_part: CL05B104KO5NNNC (Samsung Electro-Mechanics); edg_path: mcu.iovdd_cap[0].cap; edg_refdes: SC5; edg_short_path: mcu.iovdd_cap[0]
SC6 = -: edg_part: CL05B104KO5NNNC (Samsung Electro-Mechanics); edg_path: mcu.iovdd_cap[1].cap; edg_refdes: SC6; edg_short_path: mcu.iovdd_cap[1]
SC7 = -: edg_part: CL05B104KO5NNNC (Samsung Electro-Mechanics); edg_path: mcu.iovdd_cap[2].cap; edg_refdes: SC7; edg_short_path: mcu.iovdd_cap[2]
SC8 = -: edg_part: CL05B104KO5NNNC (Samsung Electro-Mechanics); edg_path: mcu.iovdd_cap[3].cap; edg_refdes: SC8; edg_short_path: mcu.iovdd_cap[3]
SC9 = -: edg_part: CL05B104KO5NNNC (Samsung Electro-Mechanics); edg_path: mcu.iovdd_cap[4].cap; edg_refdes: SC9; edg_short_path: mcu.iovdd_cap[4]
SC10 = -: edg_part: CL05B104KO5NNNC (Samsung Electro-Mechanics); edg_path: mcu.iovdd_cap[5].cap; edg_refdes: SC10; edg_short_path: mcu.iovdd_cap[5]
SC11 = -: edg_part: CL05B104KO5NNNC (Samsung Electro-Mechanics); edg_path: mcu.avdd_cap.cap; edg_refdes: SC11; edg_short_path: mcu.avdd_cap
SC12 = -: edg_part: CL05A105KA5NQNC (Samsung Electro-Mechanics); edg_path: mcu.vreg_in_cap.cap; edg_refdes: SC12; edg_short_path: mcu.vreg_in_cap
SC13 = -: edg_part: CL05B104KO5NNNC (Samsung Electro-Mechanics); edg_path: mcu.mem.vcc_cap.cap; edg_refdes: SC13; edg_short_path: mcu.mem.vcc_cap
SC14 = -: edg_part: CL05B104KO5NNNC (Samsung Electro-Mechanics); edg_path: mcu.dvdd_cap[0].cap; edg_refdes: SC14; edg_short_path: mcu.dvdd_cap[0]
SC15 = -: edg_part: CL05B104KO5NNNC (Samsung Electro-Mechanics); edg_path: mcu.dvdd_cap[1].cap; edg_refdes: SC15; edg_short_path: mcu.dvdd_cap[1]
SC16 = -: edg_part: CL05A105KA5NQNC (Samsung Electro-Mechanics); edg_path: mcu.vreg_out_cap.cap; edg_refdes: SC16; edg_short_path: mcu.vreg_out_cap
SD1 = -: edg_part: BZT52-B5V6S_R1_00001 (PANJIT International); edg_path: vusb_protect.diode; edg_refdes: SD1; edg_short_path: vusb_protect
SD2 = -: edg_part: 19-213/Y2C-CQ2R2L/3T(CY) (Everlight Elec); edg_path: led_tgt.package; edg_refdes: SD2; edg_short_path: led_tgt.package
SD3 = -: edg_part: C2290 (Hubei KENTO Elec); edg_path: led_usb.package; edg_refdes: SD3; edg_short_path: led_usb.package
SD4 = -: edg_part: 19-217/GHC-YR1S2/3T (Everlight Elec); edg_path: led_target.package; edg_refdes: SD4; edg_short_path: led_target.package
SH1 = -: edg_path: jlc_th.th1; edg_refdes: SH1; edg_short_path: jlc_th.th1
SH2 = -: edg_path: jlc_th.th2; edg_refdes: SH2; edg_short_path: jlc_th.th2
SH3 = -: edg_path: jlc_th.th3; edg_refdes: SH3; edg_short_path: jlc_th.th3
SJ1 = -: edg_path: usb.conn; edg_refdes: SJ1; edg_short_path: usb.conn
SJ2 = -: edg_path: mcu.swd.conn; edg_refdes: SJ2; edg_short_path: mcu.swd
SJ3 = -: edg_path: target.conn; edg_refdes: SJ3; edg_short_path: target
SR1 = -: edg_part: 0402WGF5101TCE (UNI-ROYAL(Uniroyal Elec)); edg_path: usb.cc_pull.cc1.res; edg_refdes: SR1; edg_short_path: usb.cc_pull.cc1
SR2 = -: edg_part: 0402WGF5101TCE (UNI-ROYAL(Uniroyal Elec)); edg_path: usb.cc_pull.cc2.res; edg_refdes: SR2; edg_short_path: usb.cc_pull.cc2
SR3 = -: edg_part: 0603WAF270JT5E (UNI-ROYAL(Uniroyal Elec)); edg_path: mcu.usb_res.dp_res; edg_refdes: SR3; edg_short_path: mcu.usb_res.dp_res
SR4 = -: edg_part: 0603WAF270JT5E (UNI-ROYAL(Uniroyal Elec)); edg_path: mcu.usb_res.dm_res; edg_refdes: SR4; edg_short_path: mcu.usb_res.dm_res
SR5 = -: edg_part: 0402WGF2401TCE (UNI-ROYAL(Uniroyal Elec)); edg_path: led_tgt.res; edg_refdes: SR5; edg_short_path: led_tgt.res
SR6 = -: edg_part: 0402WGF2401TCE (UNI-ROYAL(Uniroyal Elec)); edg_path: led_usb.res; edg_refdes: SR6; edg_short_path: led_usb.res
SR7 = -: edg_part: 0402WGF4701TCE (UNI-ROYAL(Uniroyal Elec)); edg_path: en_pull.res; edg_refdes: SR7; edg_short_path: en_pull
SR8 = -: edg_part: 0402WGF2401TCE (UNI-ROYAL(Uniroyal Elec)); edg_path: led_target.res; edg_refdes: SR8; edg_short_path: led_target.res
SR9 = -: edg_part: 0402WGF4701TCE (UNI-ROYAL(Uniroyal Elec)); edg_path: target_sense.div.top_res; edg_refdes: SR9; edg_short_path: target_sense.top_res
SR10 = -: edg_part: 0402WGF4701TCE (UNI-ROYAL(Uniroyal Elec)); edg_path: target_sense.div.bottom_res; edg_refdes: SR10; edg_short_path: target_sense.bottom_res
SU1 = -: edg_path: usb_reg.ic; edg_refdes: SU1; edg_short_path: usb_reg.ic
SU2 = -: edg_path: target_reg.ic; edg_refdes: SU2; edg_short_path: target_reg.ic
SU3 = -: edg_path: mcu.ic; edg_refdes: SU3; edg_short_path: mcu.ic
SU4 = -: edg_path: mcu.mem.ic; edg_refdes: SU4; edg_short_path: mcu.mem.ic
SU5 = -: edg_path: mcu.crystal; edg_refdes: SU5; edg_short_path: mcu.crystal
SU6 = -: edg_path: usb_esd; edg_refdes: SU6; edg_short_path: usb_esd
U1 = -: edg_path: reg_3v3.ic; edg_refdes: U1; edg_short_path: reg_3v3.ic
U2 = -: edg_path: mcu.ic; edg_refdes: U2; edg_short_path: mcu.ic
